# Altium PCB ActiveBOM.PcbDoc (part 1 of 2)
Units mm, origin at the board's own origin, x right, y up, seen from the top; angles counter-clockwise.
Board outline 31 x 31 mm, 6 copper layers (Top, GND2, L3, L4, GND5, Bottom), stack 1.578 mm thick; 102 components, 158 nets, 567 pads, 386 vias.
Unrouted connection lines stored in the file: 88.
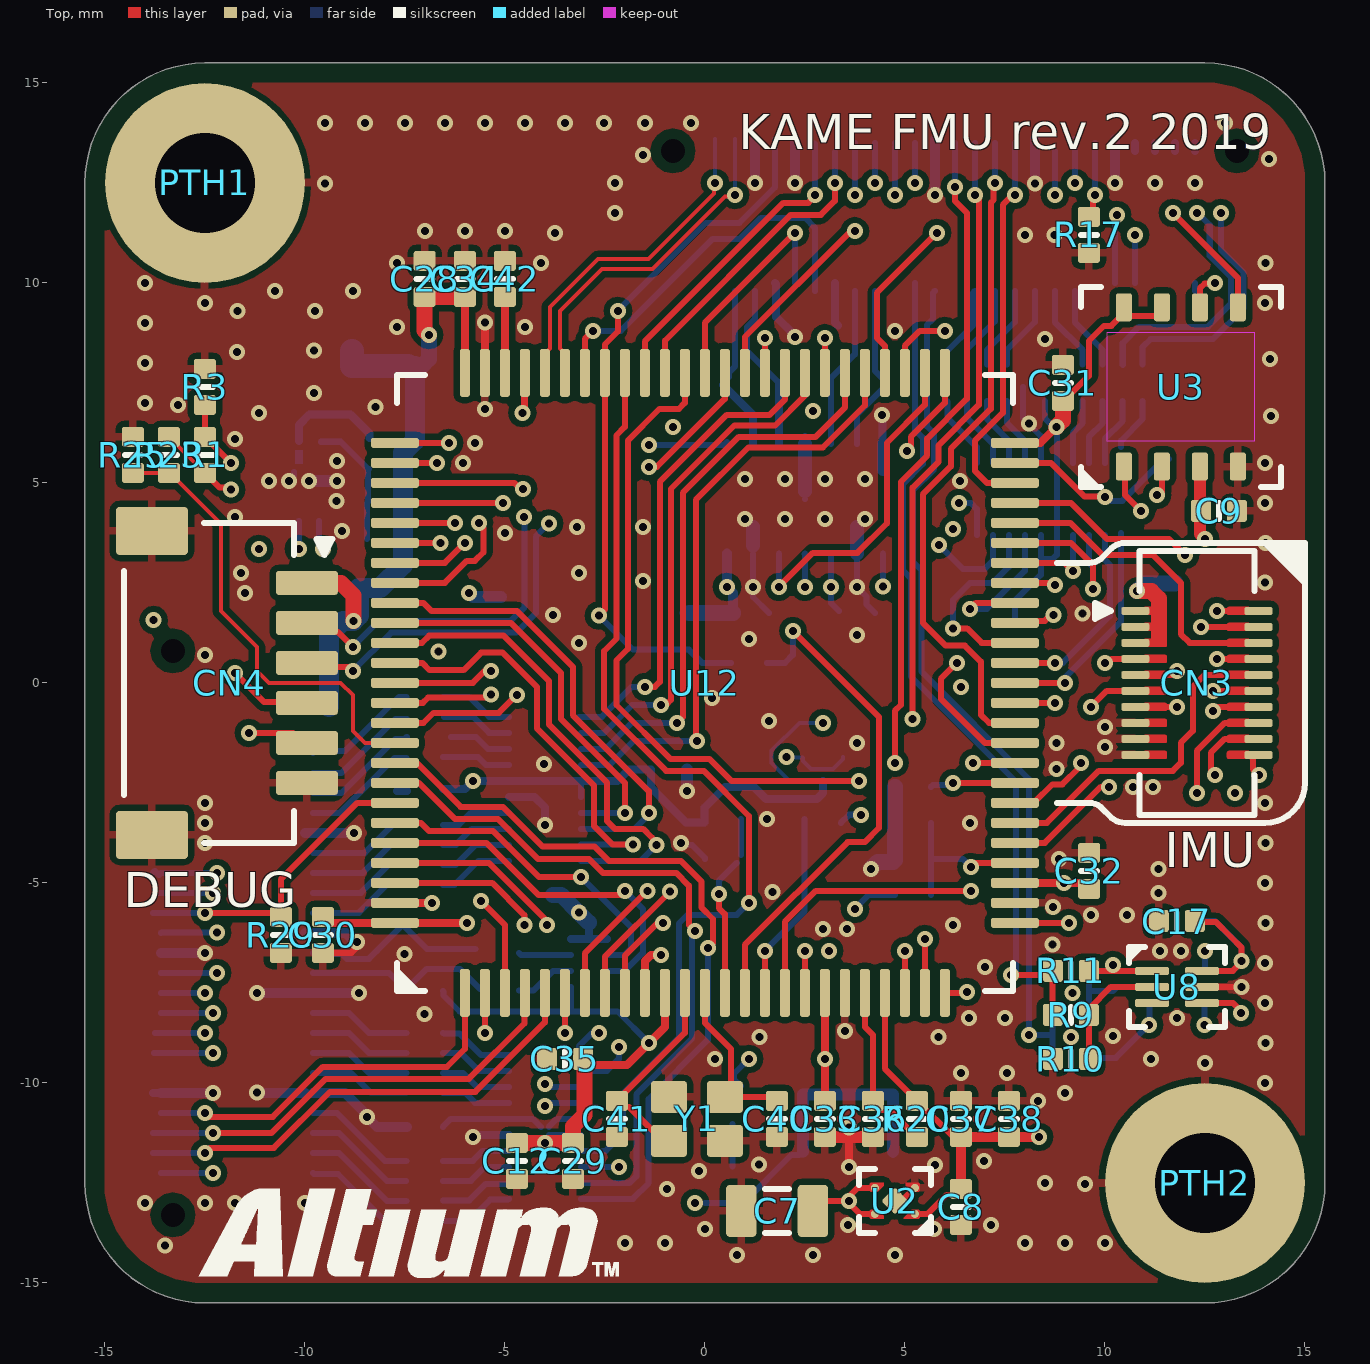
[diagram p0: Top view]
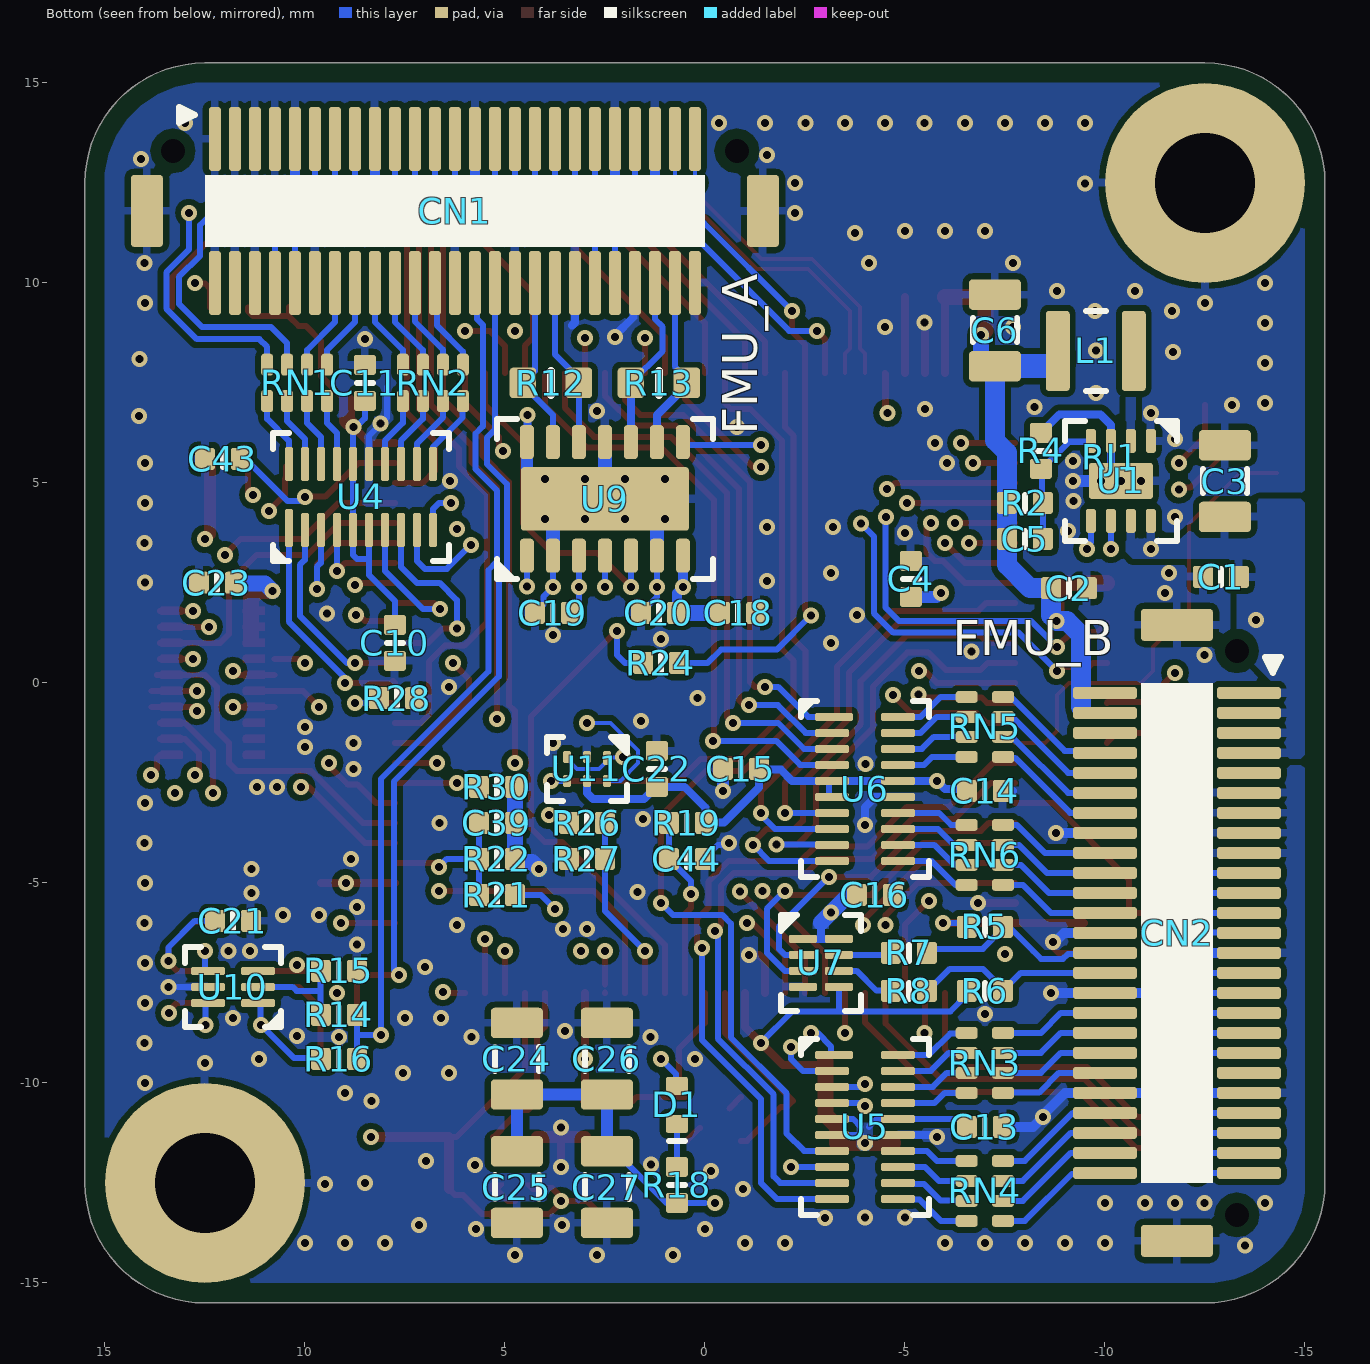
[diagram p1: Bottom view, seen from below]
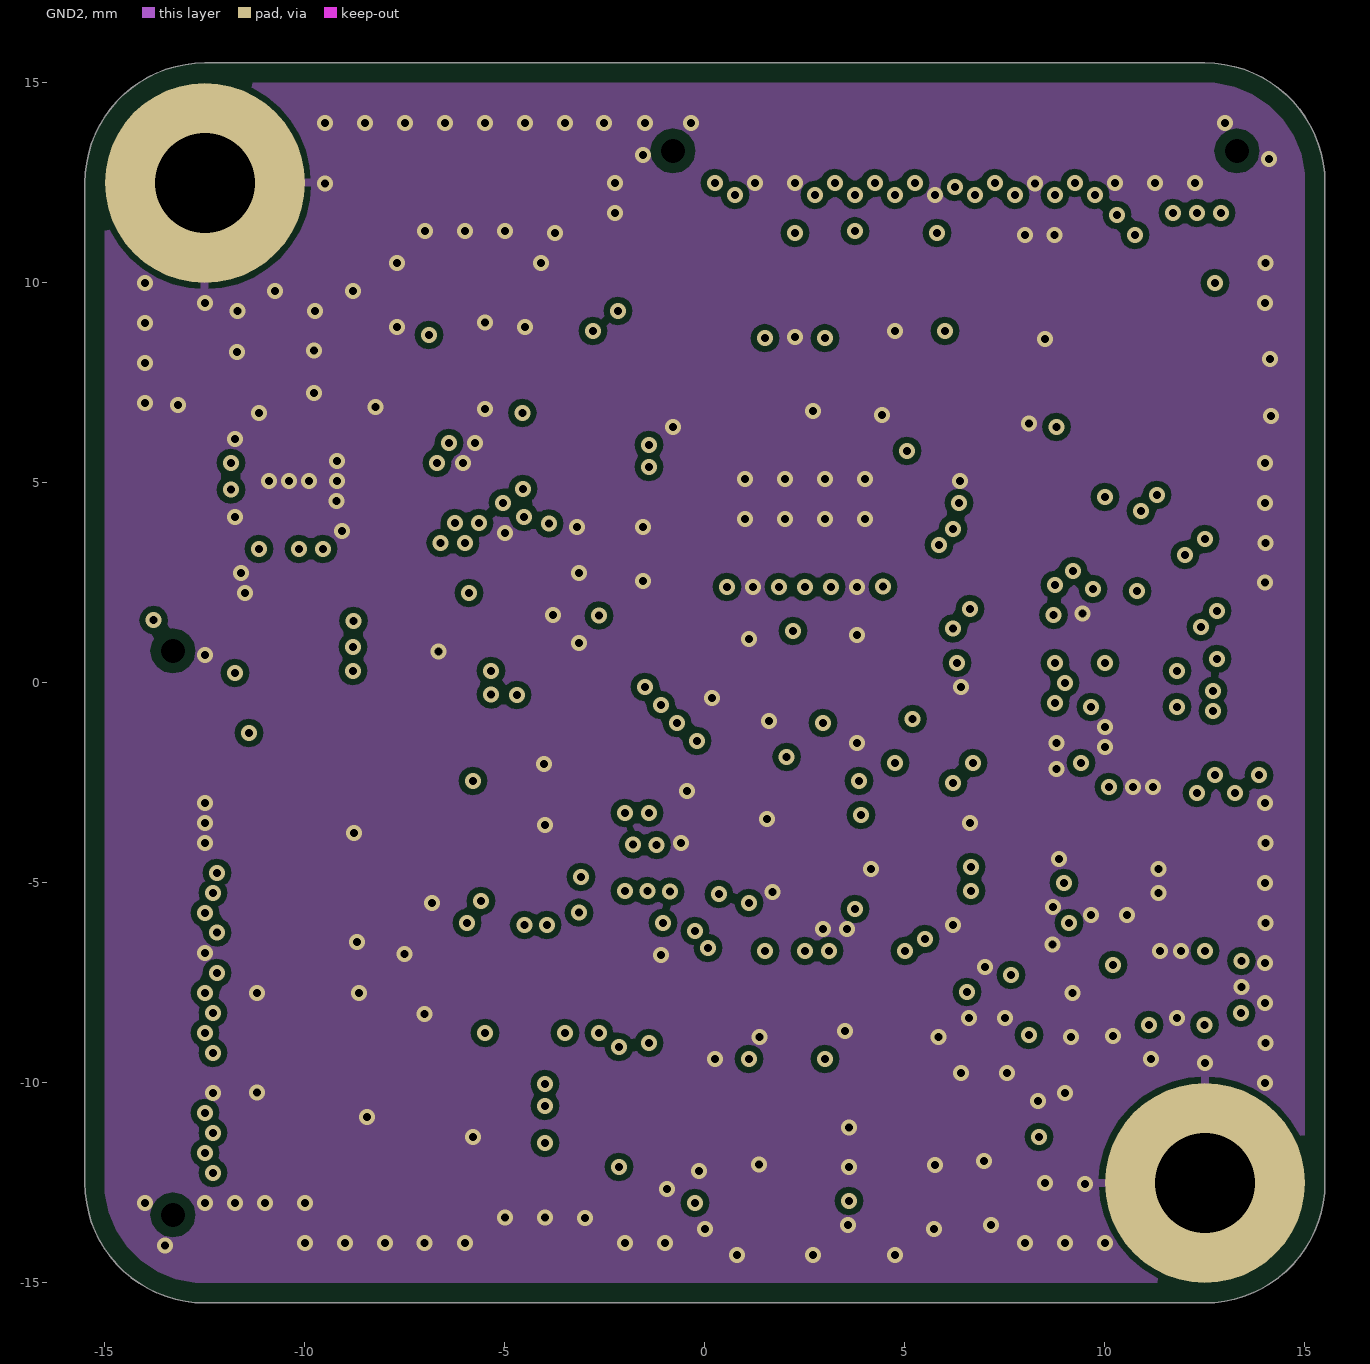
[diagram p2: GND2]
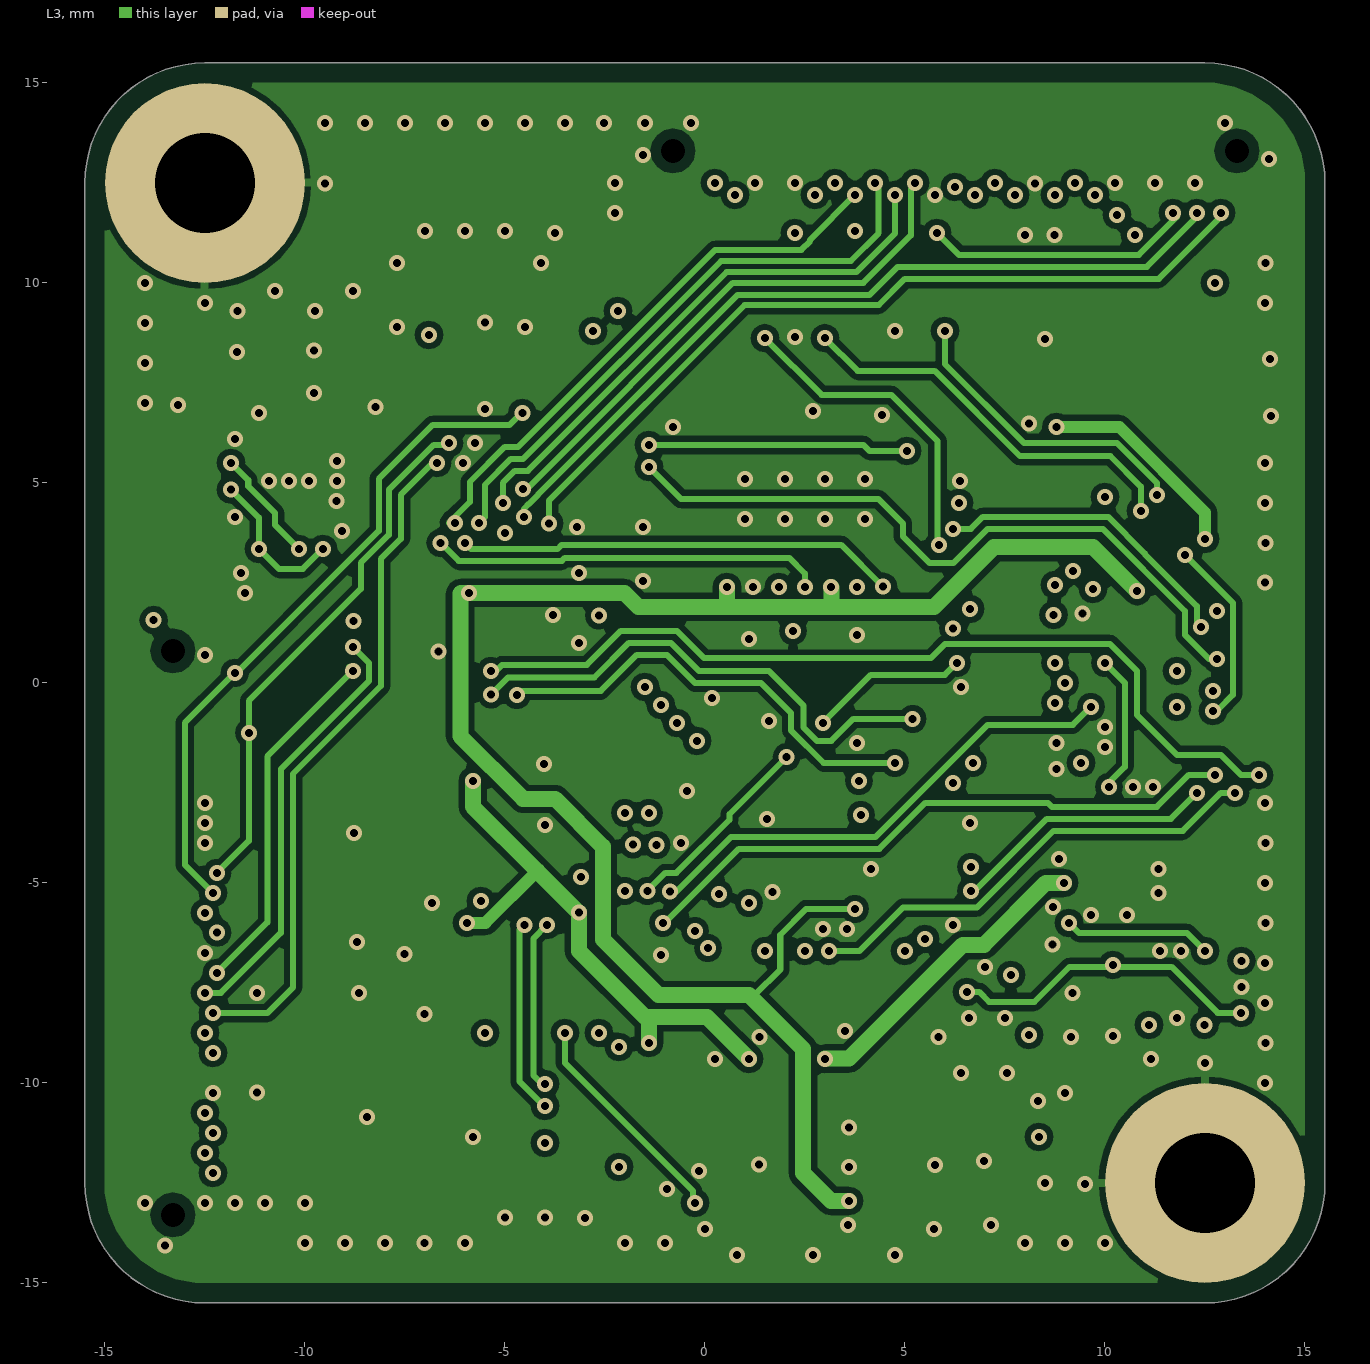
[diagram p3: L3]
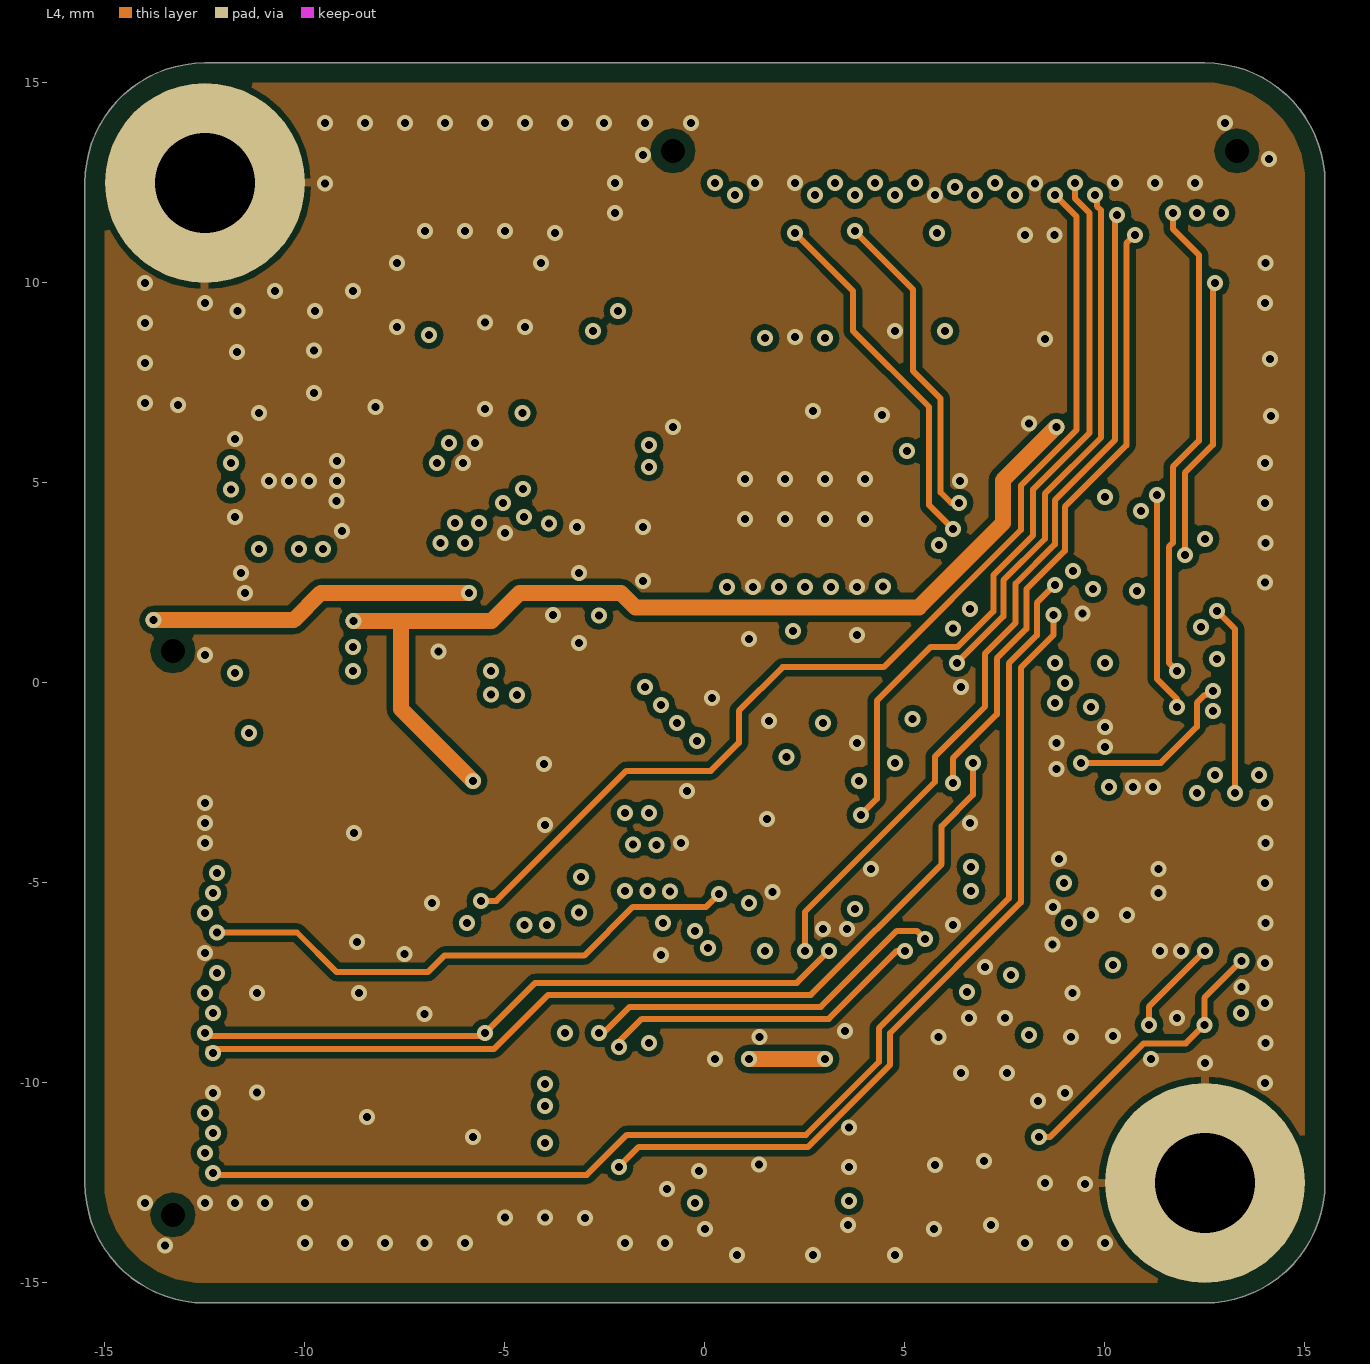
[diagram p4: L4]
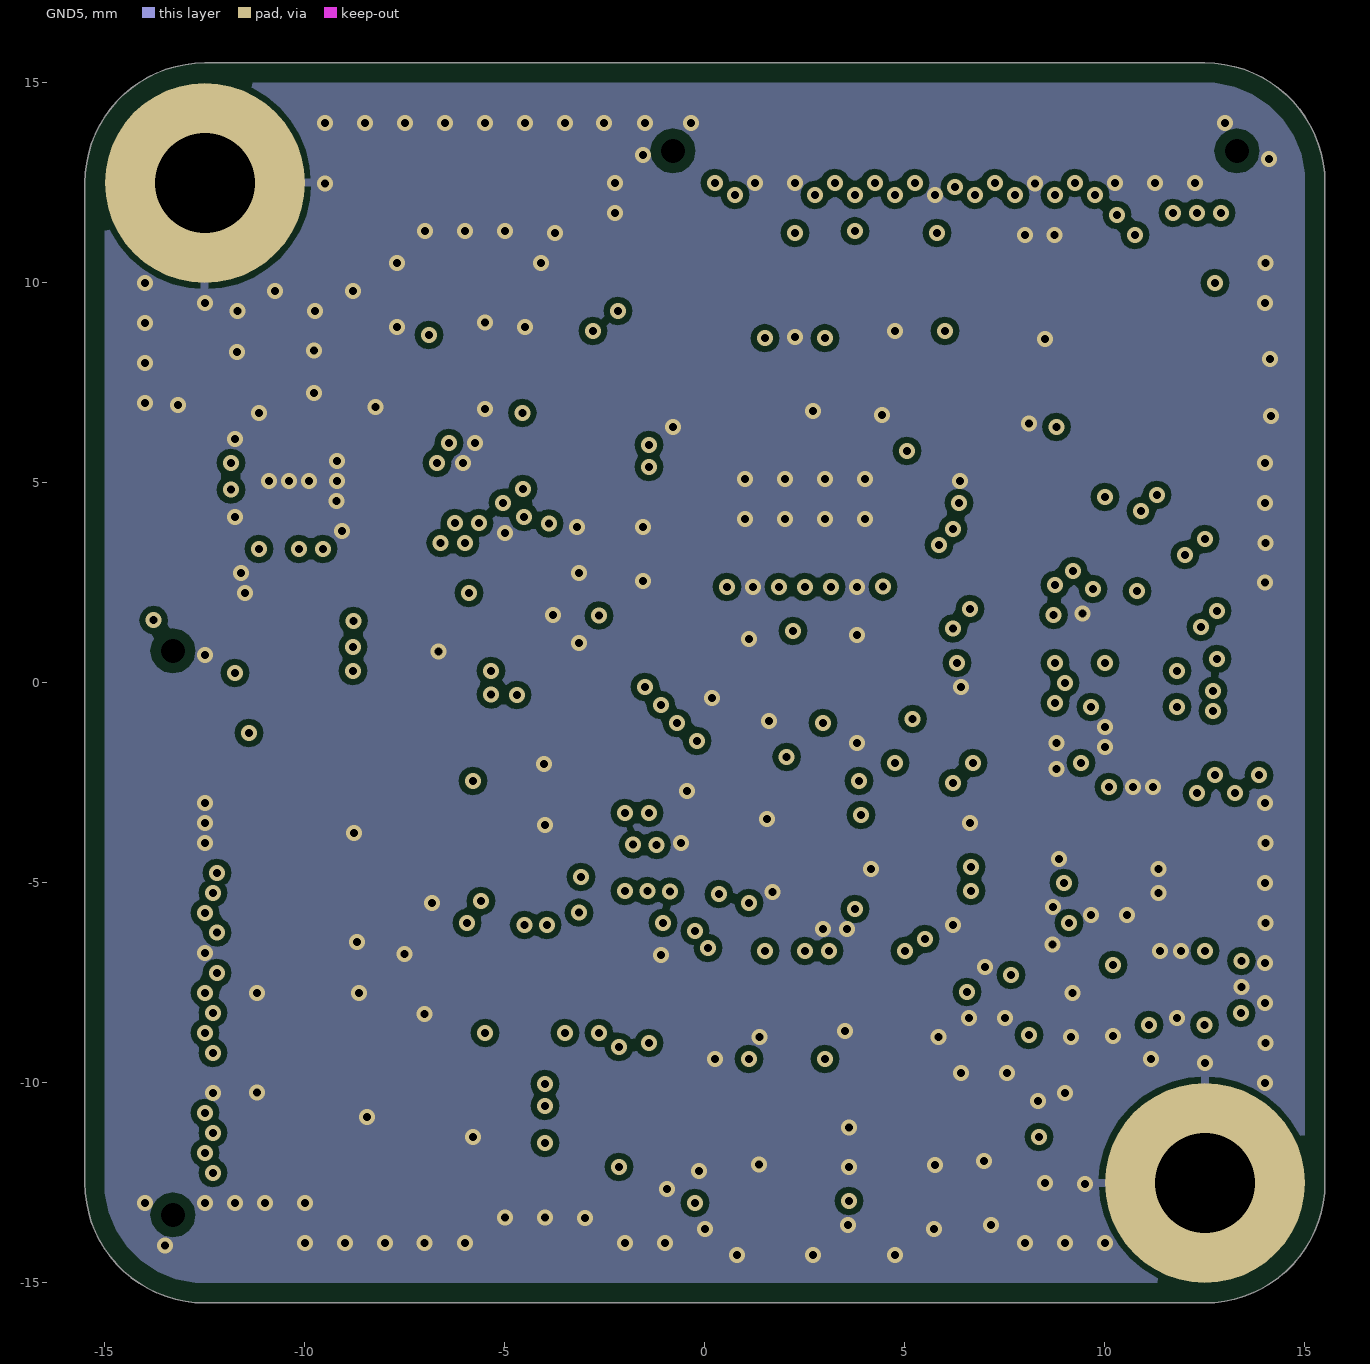
[diagram p5: GND5]
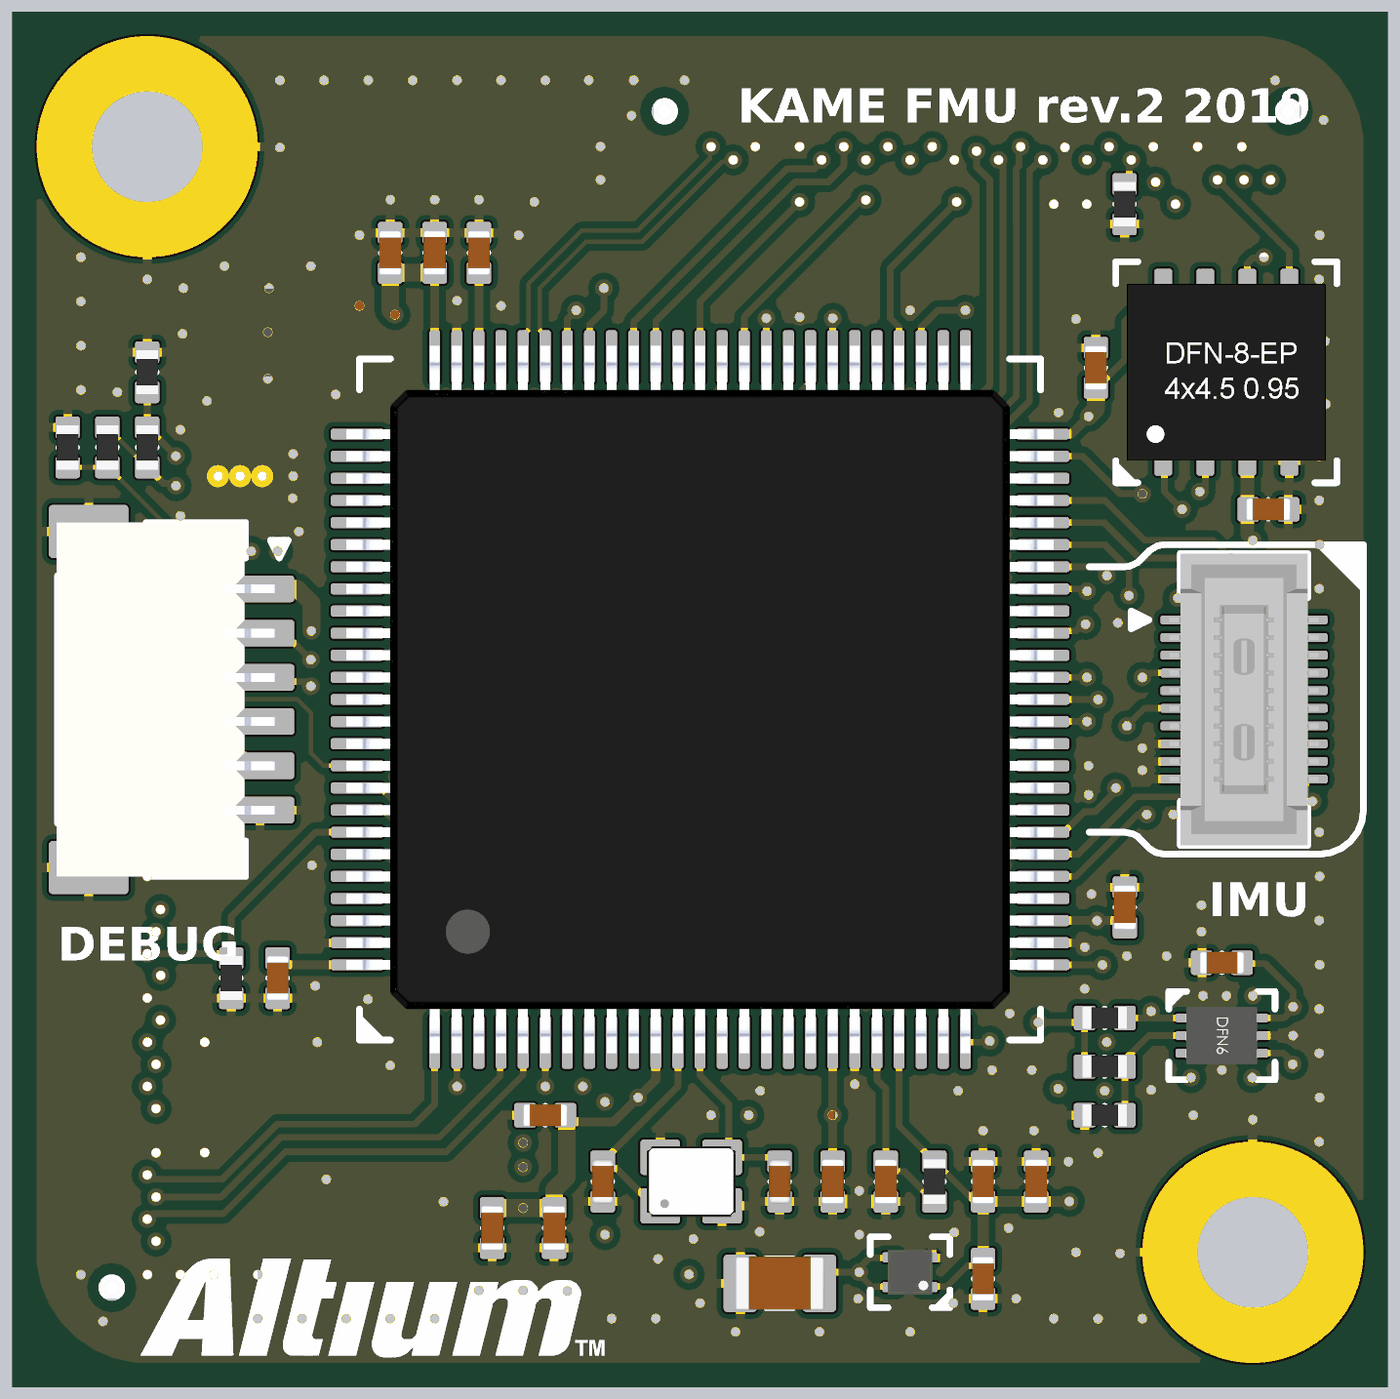
[diagram p7: 3D render of the assembled board from above, using the file's embedded part models]
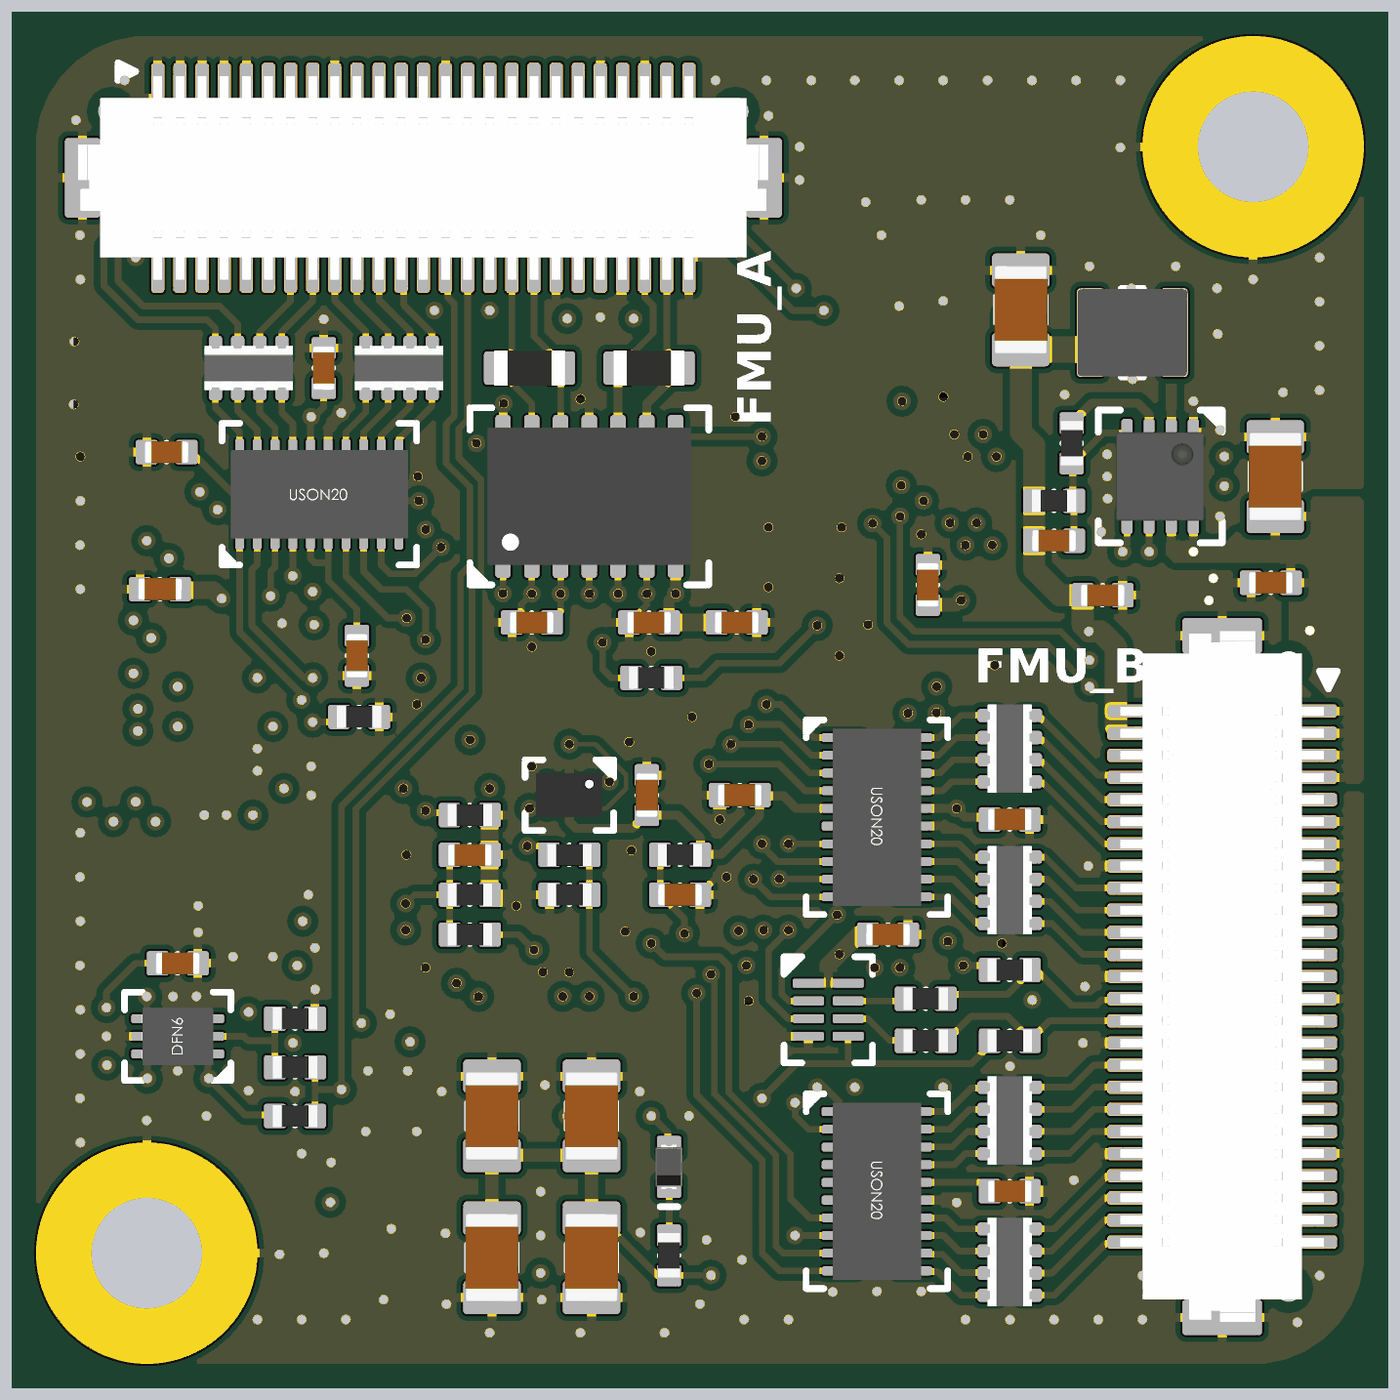
[diagram p8: 3D render of the assembled board from below, using the file's embedded part models]

## Layer stack, top to bottom
Top Solder: solder mask 0.01, Solder Resist, Dk 3.5
Top: signal copper 0.018
Dielectric 6: prepreg 0.15, PP-006, Dk 4.1
GND2: signal copper 0.018
Dielectric 5: core 0.51, Core-009, Dk 4.5
L3: signal copper 0.018
Dielectric 4: prepreg 0.15, PP-006, Dk 4.1
L4: signal copper 0.018
Dielectric 3: core 0.51, Core-009, Dk 4.5
GND5: signal copper 0.018
Dielectric 2: prepreg 0.15, PP-006, Dk 4.1
Bottom: signal copper 0.018
Bottom Solder: solder mask 0.01, Solder Resist, Dk 3.5

## Board outline
12.5,-15.5 -12.5,-15.5 cw(c-12.5,-12.5) -15.5,-12.5 -15.5,12.5 cw(c-12.5,12.5) -12.5,15.5 12.5,15.5 cw(c12.5,12.5) 15.5,12.5 15.5,-12.5 cw(c12.5,-12.5)

## Design rules (kind name [scope] priority, off if disabled: settings)
BoardOutlineClearance [All] p1: gap=0.25 ignorepadtopadclearanceinfootprint=FALSE
Clearance "Outline/NPTH clearance" [(IsThruPin and (PadisPlated = 'False')) or IsBoardCutoutRegion or IsBoardOutline] p1: gap=0.25 ignorepadtopadclearanceinfootprint=FALSE
Clearance "Polygon clearance" [InPolygon] p2: gap=0.15 ignorepadtopadclearanceinfootprint=FALSE except(0.2: Arc-Hole Track-Hole SMDPad-Hole THPad-Hole Via-Hole Fill-Hole Poly-Hole Region-Hole Text-Hole)
Clearance "Default clearance" [All] p3: gap=0.1 ignorepadtopadclearanceinfootprint=FALSE
ComponentClearance [All] p1: gap=0.05 collisioncheckmode=3 verticalgap=0.1 showdistances=FALSE
DiffPairsRouting "Schematic Differential Pairs Routing_3" [InNet('USB_N')] p1: maxlimit=0.254 minlimit=0.1 mostfreqgap=0.15 toplayer_minwidth=0.1 toplayer_maxwidth=0.381 toplayer_prefwidth=0.15 midlayer1_minwidth=0.1 midlayer1_maxwidth=0.381 midlayer1_prefwidth=0.15 midlayer2_minwidth=0.1 midlayer2_maxwidth=0.381 midlayer2_prefwidth=0.15 midlayer3_minwidth=0.1 midlayer3_maxwidth=0.381 midlayer3_prefwidth=0.15 midlayer4_minwidth=0.1 midlayer4_maxwidth=0.381 midlayer4_prefwidth=0.15 bottomlayer_minwidth=0.1 bottomlayer_maxwidth=0.381 bottomlayer_prefwidth=0.15 maxuncoupledlength=12.7
DiffPairsRouting "Schematic Differential Pairs Routing_2" [InNet('USB_P')] p2: maxlimit=0.254 minlimit=0.1 mostfreqgap=0.15 toplayer_minwidth=0.1 toplayer_maxwidth=0.381 toplayer_prefwidth=0.1 midlayer1_minwidth=0.1 midlayer1_maxwidth=0.381 midlayer1_prefwidth=0.1 midlayer2_minwidth=0.1 midlayer2_maxwidth=0.381 midlayer2_prefwidth=0.1 midlayer3_minwidth=0.1 midlayer3_maxwidth=0.381 midlayer3_prefwidth=0.1 midlayer4_minwidth=0.1 midlayer4_maxwidth=0.381 midlayer4_prefwidth=0.1 bottomlayer_minwidth=0.1 bottomlayer_maxwidth=0.381 bottomlayer_prefwidth=0.1 maxuncoupledlength=12.7
DiffPairsRouting [InDifferentialPair('OTG_FS')] p3: maxlimit=0.15 minlimit=0.15 mostfreqgap=0.15 toplayer_minwidth=0.1 toplayer_maxwidth=0.1 toplayer_prefwidth=0.1 midlayer1_minwidth=0.1 midlayer1_maxwidth=0.1 midlayer1_prefwidth=0.1 midlayer2_minwidth=0.1 midlayer2_maxwidth=0.1 midlayer2_prefwidth=0.1 midlayer3_minwidth=0.1 midlayer3_maxwidth=0.1 midlayer3_prefwidth=0.1 midlayer4_minwidth=0.1 midlayer4_maxwidth=0.1 midlayer4_prefwidth=0.1 bottomlayer_minwidth=0.1 bottomlayer_maxwidth=0.1 bottomlayer_prefwidth=0.1 maxuncoupledlength=12.7
HoleSize [All] p1: absolutevalues=TRUE maxlimit=6 minlimit=0.2 maxpercent=80.000 minpercent=20.000
MinimumAnnularRing [All] p1: minimumring=0.1
MinimumSolderMaskSliver [All] p1: minsoldermaskwidth=0
PlaneConnect [All] p1: planeconnectstyle=Relief reliefexpansion=0.508 reliefentries=4 reliefconductorwidth=0.15 reliefairgap=0.15
PolygonConnect [IsPolygon vs InNet('GND') And IsVia] p1: connectstyle=Direct reliefconductorwidth=0.15 reliefentries=4 polygonreliefangle="90 Angle" airgapwidth=0.12
PolygonConnect PolygonConnect_1 [All] p2: connectstyle=Relief reliefconductorwidth=0.2 reliefentries=4 polygonreliefangle="90 Angle" airgapwidth=0.15
RoutingCorners [All] p1: cornerstyle=45-Degree minsetback=0.15 maxsetback=0.15
RoutingLayers [All] p1: top layer_v5=TRUE mid layer 1_v5=FALSE mid layer 2_v5=TRUE mid layer 3_v5=TRUE mid layer 4_v5=FALSE bottom layer_v5=TRUE
RoutingVias [All] p1: holewidth=0.2 width=0.4 viastyle="Through Hole" minholewidth=0.15 minwidth=0.35 maxholewidth=0.711 maxwidth=1.27
SilkToSolderMaskClearance [IsPad] p1: minsilkscreentomaskgap=0.1 clearancetoexposedcopper=TRUE
SolderMaskExpansion [All] p1: expansion=0.05 istentingtop=FALSE
SupplyNets "Schematic Supply Nets_4" [InNet('VCC5')] p1: voltage=0.000
SupplyNets "Schematic Supply Nets_3" [InNet('GND')] p2: voltage=0.000
SupplyNets "Schematic Supply Nets_2" [InNet('S_AGND')] p3: voltage=0.000
SupplyNets "Schematic Supply Nets_1" [InNet('VCC3A')] p4: voltage=0.000
SupplyNets "Schematic Supply Nets" [InNet('VCC3')] p5: voltage=0.000
Width [All] p1: maxlimit=1 minlimit=0.1 preferedwidth=0.15
22 further rules are at their usual default settings.

## Classes and differential pairs
component class PWM/UART: C10 C11 C12 C13 C14 C15 RN1 RN2 RN3 RN4 RN5 RN6 U4 U5 U6
component class "IMU/Debug Connector": C23 C46 CN3 CN4
component class "SPI memory (FM25V02A)": C9 U3
component class "Motherboard Connectors": C1 C2 CN1 CN2 PTH1 PTH2
component class CPU: C24 C25 C26 C27 C28 C29 C30 C31 C32 C33 C34 C35 C36 C37 C38 C39 C40 C41 C42 C43 C44 C45 D1 R18 R19 R20 R21 R22 R23 R24 R25 R26 R27 R28 R29 R30 R31 U12 Y1
component class "Power Supply": C3 C4 C5 C6 C7 C8 L1 R1 R2 R3 R4 RJ1 U1 U2
component class "CAN/RCIN/I2C/Analog inputs": C16 C17 C18 C19 C20 C21 C22 R5 R6 R7 R8 R9 R10 R11 R12 R13 R14 R15 R16 R17 U7 U8 U9 U10 U11
differential pair USB: +USB_P -USB_N
